# KiCad board qEdge-UI.kicad_pcb (continued)
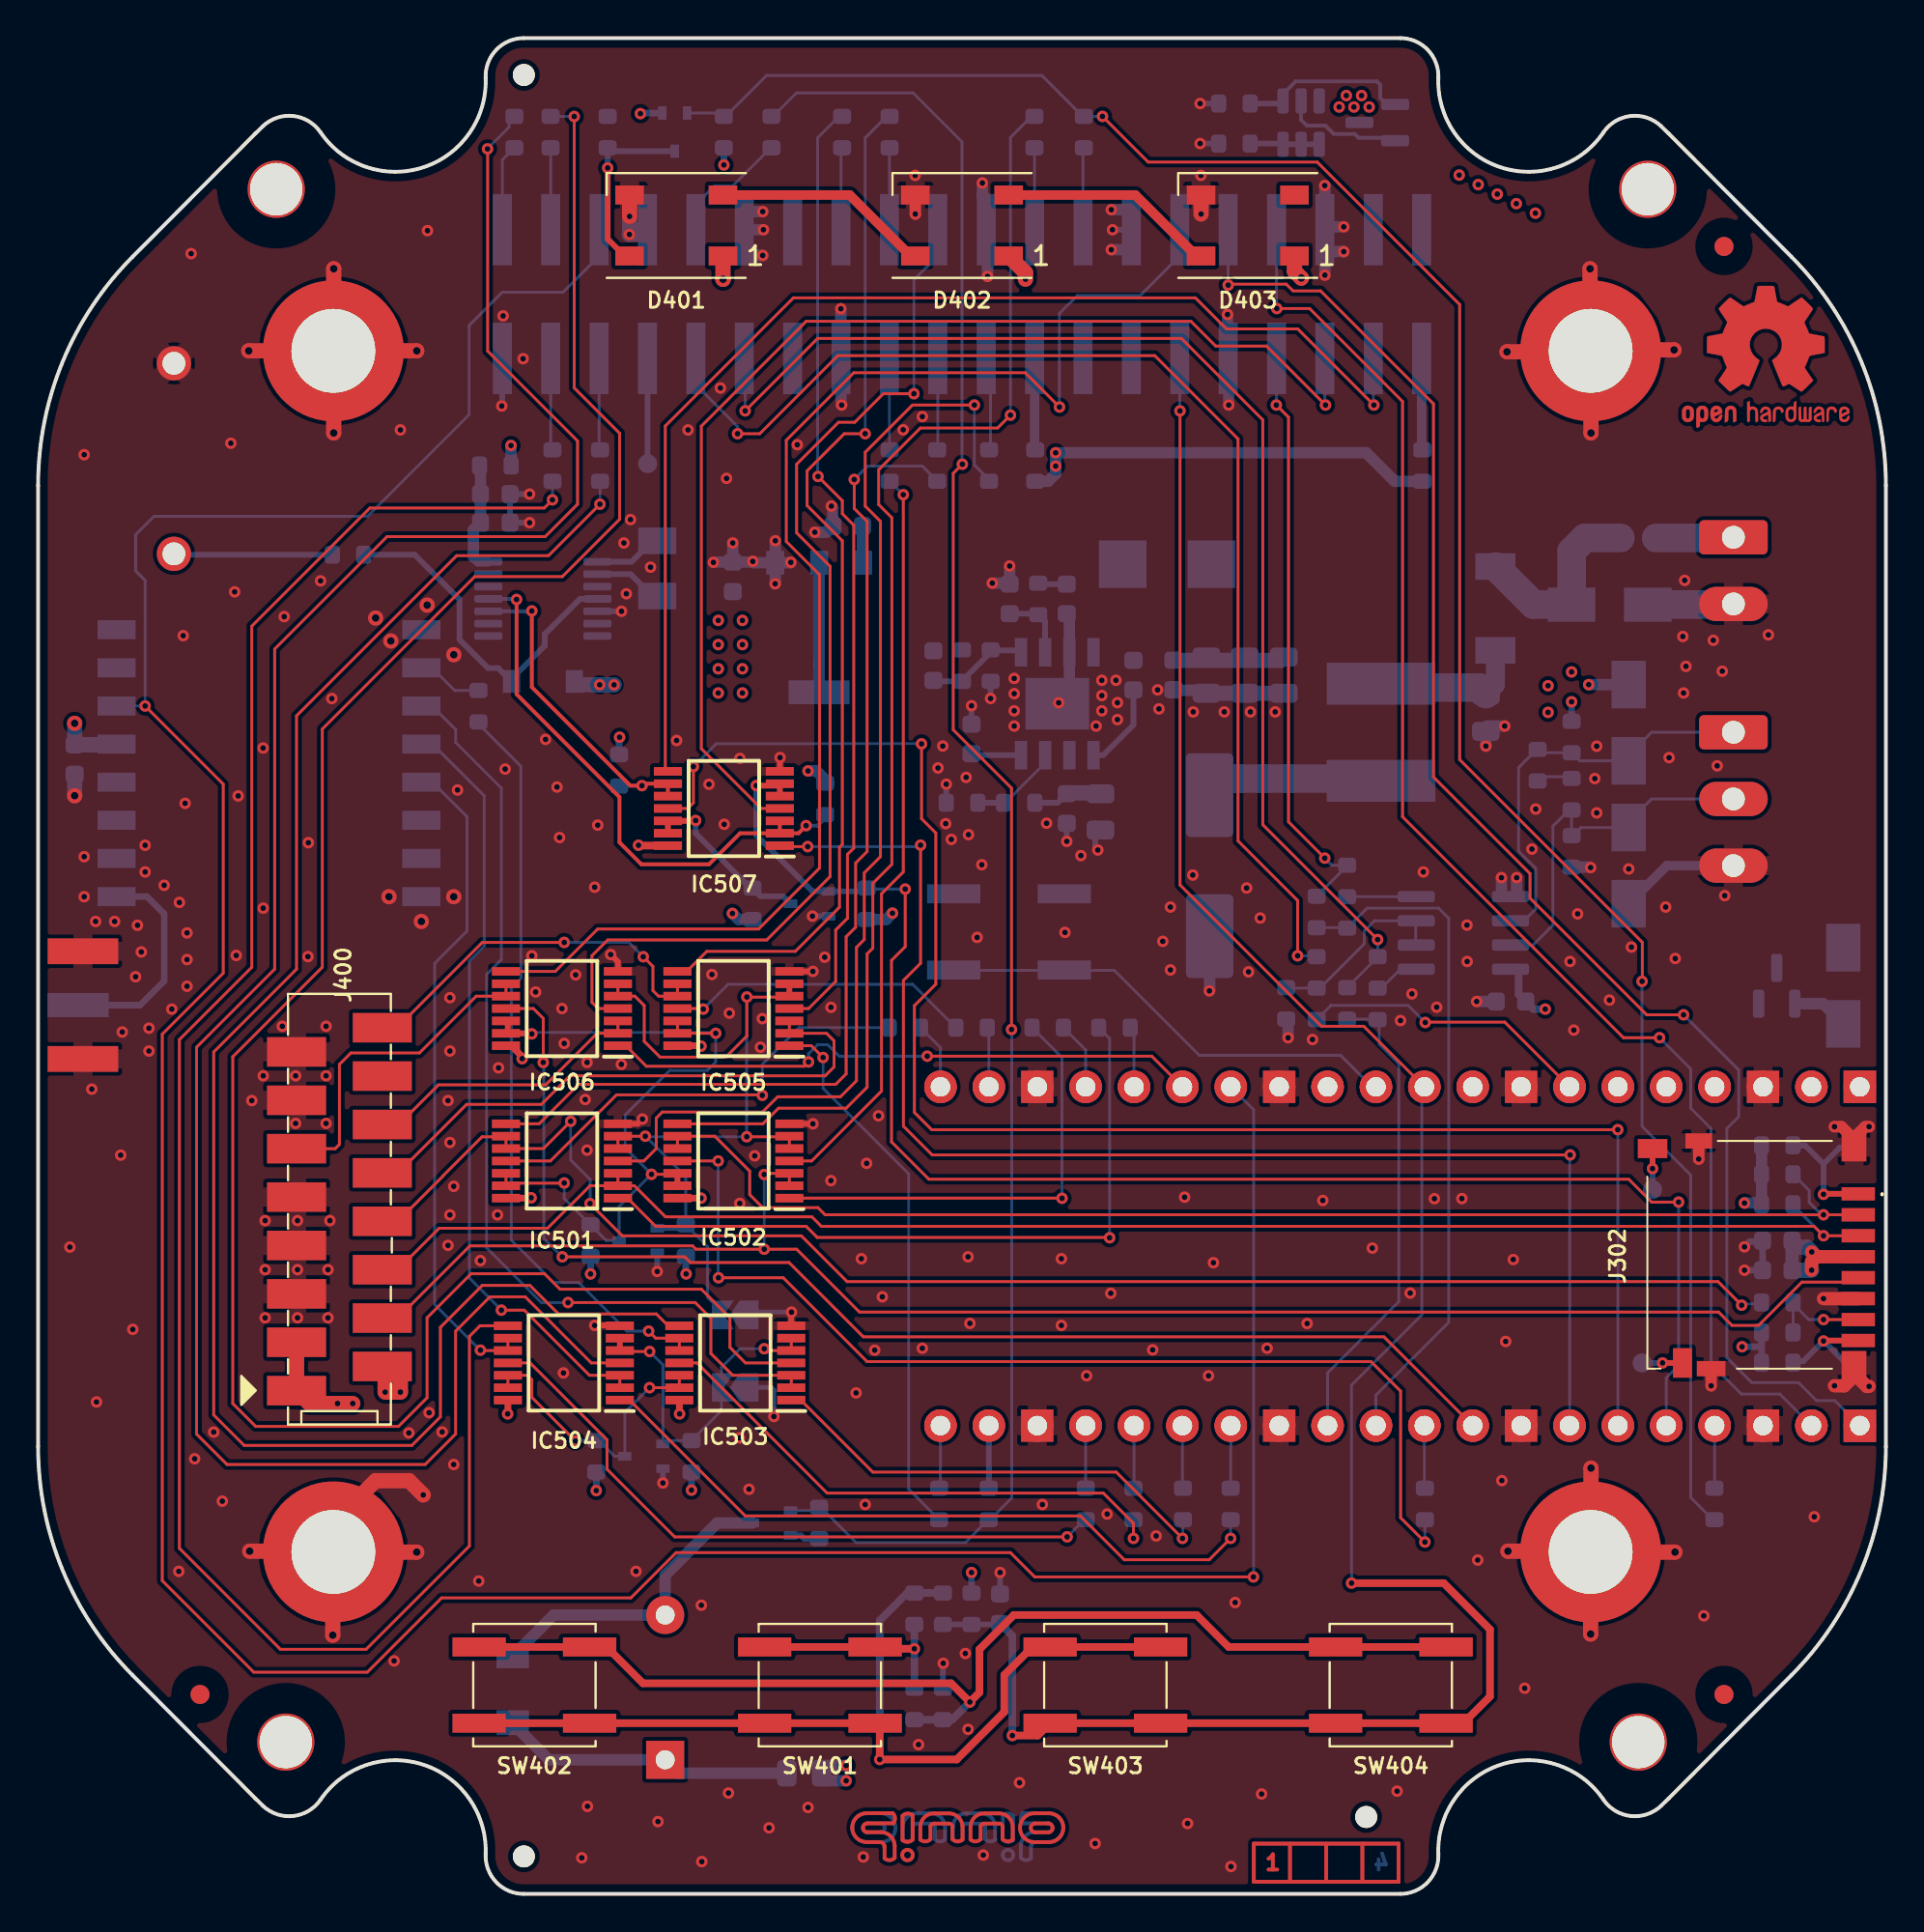
[diagram p0: board, top side]
## Routing (per net, layer and track width the routed paths; a pad name or vN(x,y) marks a point on that pad's centre or on a via; arc(x,y) is an arc through that point) (continued)
/Comm. ifaces, Misc/RTP_CS: length 31.2
  Top w0.15: 17.7,37.97 17.57,37.84 18.9,37.84 22.49,41.44 26.42,41.44 27.92,42.94 41.32,42.94 41.78,43.4 41.78,44.77 41.39,45.17 IC505.2 IC505.3
/Comm. ifaces, Misc/UART_RS485_EN: length 9.9
  Bottom w0.15: 65.54,47.54 R325.2 67.29,47.54 69.62,49.86 69.62,50.54 70.15,51.07 U503.3 ; 72.32,51.05 72.32,49.83 U503.2
/Comm. ifaces, Misc/UART_RS485_RxD: length 2.4
  Bottom w0.15: U503.1 71.51,48.53 70.52,47.54 R327.2
/Comm. ifaces, Misc/UART_RS485_TxD: length 3.6
  Bottom w0.15: U503.4 72.34,52.34 R326.2
/Comm. ifaces, Misc/uSD_CS: length 67.9
  Top w0.15: IC502.10 IC502.9 35.52,39.77 37.36,37.93 37.36,36.7 38.04,36.02 40.94,36.02 41.31,35.64 v1(93.72,35.64) J302.2
  Bottom w0.15: R331.2 92.97,36.92 92.97,36.29 93.62,35.64 v1(93.72,35.64)
/Connectors, Power supplies/COMP_IC202: length 3.6
  Bottom w0.3: R201.1 52.87,66.78 IC202.6 ; C210.1 52.45,67.19
/Connectors, Power supplies/EN_IC202: length 4.8
  Bottom w0.15: R204.2 50.77,57.27 52.87,59.36 IC202.3
  Bottom w0.3: R204.2 49.32,57.27
/Connectors, Power supplies/FB_IC202: length 5
  Bottom w0.3: 51.49,65.27 50.02,65.27 ; 48.5,63.67 50,65.17 ; R202.2 47.05,63.64
/Connectors, Power supplies/SS_IC202: length 2.5
  Bottom w0.3: IC202.4 49.07,59.77
/Connectors, Power supplies/V_IN: length 4
  Bottom w1.5: 88.9,71.17 F201.1
/Connectors, Power supplies/V_IN_PROT: length 10.5
  Bottom w1.5: F201.2 81.2,71.17 80.5,70.47 D201.2 78.5,67.67 D202.2
/RPis, RTC, µSD/4B_Buzzer: length 5.2
  Bottom w0.15: 34.53,88.67 35.49,89.64 36.46,89.64 38.46,91.64 R318.1
/RPis, RTC, µSD/4B_RGB_LED: length 4.2
  Bottom w0.15: J301.16 54.85,91.59
/RPis, RTC, µSD/4B_SPI0_CE0#: length 4.3
  Bottom w0.15: J301.24 44.69,91.63
/RPis, RTC, µSD/4B_SPI0_CE1#: length 4.2
  Bottom w0.15: J301.26 42.15,91.59
/RPis, RTC, µSD/4B_SPI0_CLK_T: length 4.8
  Bottom w0.15: J301.23 44.69,75.8
/RPis, RTC, µSD/4B_SPI0_MISO_T: length 4.8
  Bottom w0.15: J301.21 47.23,75.82
/RPis, RTC, µSD/4B_SPI0_MOSI_T: length 4.9
  Bottom w0.15: 50,75.79 50,80.36 J301.19
/RPis, RTC, µSD/4B_SPI1_CLK_T: length 4.6
  Bottom w0.15: R320.1 24.37,91.01 J301.40
/RPis, RTC, µSD/4B_SPI1_CS_T: length 4.7
  Bottom w0.15: J301.37 26.91,75.88
/RPis, RTC, µSD/4B_SPI1_MISO_T: length 4.8
  Bottom w0.15: J301.35 29.45,75.84
/RPis, RTC, µSD/4B_SPI1_MOSI_T: length 4.3
  Bottom w0.15: J301.38 26.91,91.63
/RPis, RTC, µSD/4B_UART_RS485_EN: length 64.2
  Top w0.15: v1(36.72,76.64) 37.88,76.64 41.98,80.74 58.62,80.74 62.99,76.37 62.99,55.27 66.12,52.14 66.12,49.14
  Bottom w0.15: J301.31 34.53,79.2 36.72,77.01 v1(36.72,76.64) ; v1(66.12,49.24) 67.07,49.24 67.12,49.19
/RPis, RTC, µSD/4B_UART_RS485_RxD: length 66.3
  Top w0.15: v1(70.32,50.09) 64.29,56.12 64.29,77.37 60.02,81.64 40.92,81.64 v1(37.12,77.84)
  Bottom w0.15: v1(70.32,50.09) 70.32,49.16 R341.1 ; v1(37.12,77.84) 37.12,80.54 J301.29
/RPis, RTC, µSD/4B_UART_RS485_TxD: length 30.9
  Top w0.15: v1(67.54,54.36) 65.64,56.27 65.64,77.5 v1(65,78.14)
  Bottom w0.15: 68.72,53.96 R340.1 ; v1(67.54,54.36) 67.92,53.99 R326.3 ; J301.7 65.01,78.15 v1(65,78.14)
/RPis, RTC, µSD/4B_uSD_CS_T: length 4.3
  Bottom w0.15: J301.18 52.31,91.63
/RPis, RTC, µSD/Buzzer: length 97.5
  Top w0.15: v1(48.52,75.04) 48.04,74.56 48.04,61.09 51.1,58.03 v1(51.1,45.37)
  Bottom w0.15: 49.88,19.64 48.67,18.44 42.94,18.44 41.08,20.29 R410.1 40.82,20.12 Q402.1 ; v1(51.1,45.37) 51.11,45.36 51.11,20.78 49.98,19.64 ; v1(48.52,75.04) 48.5,75.06 48.5,91.96 45.93,94.53 39.81,94.53 38.57,93.29 R318.2
/RPis, RTC, µSD/CTRL_I2C_Pico#: length 81.6
  Top w0.15: v1(86.12,36.31) 84.7,36.31 83.5,37.51 46.76,37.51 44.8,39.47 44.8,48.99 45.52,49.71 v1(45.52,52.74)
  Top w0.3: IC507.5 IC507.6 38.84,58.17 v1(37.7,58.17)
  Bottom w0.15: v1(86.12,36.31) 86.12,27.74 85.47,27.09 J305.5 ; v1(45.52,52.74) 43.56,52.74 R511.2
  Bottom w0.3: 43.32,52.62 Q503.1 40.65,52.62 37.7,55.57 v1(37.7,58.17)
/RPis, RTC, µSD/Key_ADC: length 119.1
  Top w0.15: U301.31 69.59,45.54 67.36,45.54 59.94,52.96 59.94,77.84 v1(59.94,77.84)
  Top w0.4: v1(68.95,16.31) 73.79,16.31 76.22,13.88 76.22,10.36 74.81,8.96 SW404.2 SW404.2 SW403.2 SW403.2 52.48,8.31 v1(51.14,8.31)
  Bottom w0.15: 72.64,42.23 72.64,30.39 68.95,26.7 v1(68.95,16.31) ; J301.11 59.93,77.85 v1(59.94,77.84)
  Bottom w0.3: R406.2 50.45,14.14
  Bottom w0.4: C403.1 51.14,13.55 v1(51.14,8.31)
/RPis, RTC, µSD/LoRa_Int: length 181.4
  Top w0.15: v1(5.62,62.35) 9.72,58.25 9.72,48.32 6.52,45.12 6.52,16.44 11.32,11.64 17.28,11.64 21.18,15.54 31.12,15.54 33.49,17.91 51.04,17.91 52.32,16.64 v1(63.8,16.64)
  Bottom w0.15: v1(63.8,16.64) 63.81,16.65 63.81,41.16 U301.27 ; U501.14 v1(5.62,62.35) 5.62,68.94 5.12,69.44 5.12,71.34 6.08,72.3 17.29,72.3 22.62,77.63 22.62,82.32 24.37,84.07 27.56,84.07 29.45,85.96
/RPis, RTC, µSD/Pico_Buzzer: length 3.3
  Bottom w0.3: 49.91,21.3 J305.19
/RPis, RTC, µSD/Pico_I2C0_SCL: length 72.3
  Top w0.15: v1(80.43,38.78) 46.93,38.78 45.43,40.29 45.43,47.94 46.32,48.84 v1(46.32,55.04) ; v1(40.4,54.97) 38.99,54.97
  Bottom w0.15: v1(46.32,55.04) 46.25,54.97 v1(40.4,54.97) ; 80.4,24.59 80.4,38.76 v1(80.43,38.78)
/RPis, RTC, µSD/Pico_I2C0_SDA: length 88.8
  Top w0.15: v1(46.38,60.36) 46.38,56.43 47.13,55.68 47.13,47.74 46,46.62 46,41.02 46.91,40.11 v1(82.93,40.11) ; v1(34.4,59.17) 34.4,57.27 34.1,56.97 IC507.11
  Bottom w0.15: v1(34.4,59.17) 35.6,60.37 46.37,60.37 v1(46.38,60.36) ; v1(82.93,40.11) 82.93,40.1 J305.6
/RPis, RTC, µSD/Pico_LCD_CS_T: length 3
  Bottom w0.15: U301.22 49.91,45.38
/RPis, RTC, µSD/Pico_LCD_DATA: length 31.3
  Top w0.15: v1(40.44,43.66) 40.22,43.44 31.93,43.44 30.85,44.52 ; v1(46.68,43.97) 58.46,43.97 U301.26
  Bottom w0.15: v1(40.44,43.66) 40.44,44.1 40.92,44.57 41.45,44.57 42.06,43.97 v1(46.68,43.97)
/RPis, RTC, µSD/Pico_LCD_LEDs: length 66.6
  Top w0.15: v1(26.52,43.64) 26.52,45.95 26,46.47 IC506.11 ; J305.9 70.65,29.24 43.32,29.24 39.42,33.14 34.24,33.14 33.94,33.44 v1(27.52,33.44)
  Bottom w0.15: v1(27.52,33.44) 26.55,34.4 26.55,43.34 26.52,43.38 v1(26.52,43.64)
/RPis, RTC, µSD/Pico_RGB_LED: length 3.3
  Bottom w0.15: 88.01,21.3 J305.4
/RPis, RTC, µSD/Pico_RTP_CS_T: length 3.2
  Bottom w0.15: J305.20 47.37,21.36
/RPis, RTC, µSD/Pico_RUN: length 25.1
  Bottom w0.15: 47.6,48.47 56.5,48.47 60.95,44.02 68.37,44.02 70.14,42.25
/RPis, RTC, µSD/Pico_SPI0_MISO_T: length 3.5
  Bottom w0.15: U301.21 47.37,44.42 46.32,45.47
/RPis, RTC, µSD/Pico_SPI0_MOSI_T: length 2.9
  Bottom w0.15: 57.53,45.26 U301.25
/RPis, RTC, µSD/Pico_SPI0_SCK_T: length 3.6
  Bottom w0.15: 53.82,45.47 54.99,44.3 U301.24
/RPis, RTC, µSD/Pico_SPI1_CS_T: length 3.3
  Bottom w0.15: 54.99,21.3 J305.17
/RPis, RTC, µSD/Pico_SPI1_MISO_T: length 3.3
  Bottom w0.15: 57.53,21.32 J305.16
/RPis, RTC, µSD/Pico_SPI1_MOSI_T: length 3.3
  Bottom w0.15: 60.07,21.32 J305.15
/RPis, RTC, µSD/Pico_SPI1_SCK_T: length 3.3
  Bottom w0.15: 62.61,21.3 J305.14
/RPis, RTC, µSD/Pico_UART_RS485_EN: length 15.4
  Top w0.15: U301.34 76.99,45.76 72.84,45.76 v1(72.82,45.74)
  Bottom w0.15: v1(72.82,45.74) 71.92,46.64 67.87,46.64 R325.1
/RPis, RTC, µSD/Pico_UART_RS485_RxD: length 24.9
  Bottom w0.15: J305.12 67.69,27.34 71.43,31.08 71.43,43.56 70.4,44.59 70.4,45.81 R327.1 70.29,45.91 R341.2
/RPis, RTC, µSD/Pico_UART_RS485_TxD: length 35.8
  Bottom w0.15: R340.2 68.69,50.71 R326.1 69.77,51.74 73.52,51.74 74.05,51.21 74.05,30 70.23,26.18 J305.11
/RPis, RTC, µSD/Pico_uSD_CS_T: length 3.3
  Bottom w0.15: 72.77,21.32 J305.10
/RPis, RTC, µSD/Pico_VBUS: length 2.8
  Bottom w0.6: D300.2 93.7,46.72 92.41,46.72
/RPis, RTC, µSD/RGB_LED: length 115.8
  Top w0.15: v1(55.88,93.29) 58.27,90.89 67.15,90.89 74.62,83.42 74.62,59.53 84.22,49.94 84.22,47.91 v1(84.2,47.89)
  Bottom w0.15: Q401.2 35.82,93.47 R401.2 36.09,93.29 38.23,95.44 52.69,95.44 54.84,93.29 ; R301.1 87.91,19.64 86.75,20.81 86.75,37.73 84.2,40.28 v1(84.2,47.89) ; R314.2 v1(55.88,93.29)
/RPis, RTC, µSD/UART-4B_RxD-Pico_TxD: length 82.9
  Top w0.15: v1(86.38,46.14) 84.44,46.14 78.32,52.26 78.32,53.55 73.25,58.62 73.25,78.21 67.32,84.13 65.88,84.13 65.52,84.49 62.52,84.49 v1(62.48,84.44)
  Bottom w0.15: v1(86.38,46.14) 89.28,43.24 89.28,40.79 88.65,40.17 88.65,28.14 89.96,26.84 92.41,26.84 93.35,25.89 94.31,25.89 J305.1 ; J301.10 62.47,84.44 v1(62.48,84.44)
/RPis, RTC, µSD/UART-4B_TxD-Pico_RxD: length 77.7
  Top w0.15: v1(65.03,83.21) 66.75,83.21 71.62,78.33 71.62,56.53 83.22,44.94 v1(85.12,44.94)
  Bottom w0.15: J301.8 65.01,83.22 v1(65.03,83.21) ; v1(85.12,44.94) 86.75,43.31 86.75,41.24 87.82,40.17 87.82,27.82 89.41,26.24 91.43,26.24 J305.2
/RPis, RTC, µSD/uSD_DAT1: length 5.8
  Top w0.3: J302.8 93.75,29.04
  Bottom w0.3: TP303.1 94.91,27.85 93.74,29.02 v1(93.72,29.02) 92.67,27.97 92.12,27.97
/RPis, RTC, µSD/uSD_DAT2: length 7.2
  Top w0.3: J302.1 93.75,36.74
  Bottom w0.3: 93.72,38.32 v1(93.72,36.72) ; 93.72,38.32 94.57,39.17 TP302.1 ; 93.72,38.32 92.78,39.27 92.12,39.27
/RPis, RTC, µSD/uSD_SPI_MISO: length 5.3
  Top w0.15: J302.7 v1(93.72,30.14)
  Bottom w0.15: v1(93.72,30.14) 92.95,30.14 92.12,30.97 R334.2
Net-(BZ401-Pad1): length 15.5
  Bottom w0.6: R411.2 33.62,6.34 BZ401.1 26.82,7.04 24.92,8.94 D404.1
Net-(BZ401-Pad2): length 16.7
  Bottom w0.6: D404.2 27.07,14.64 BZ401.2 32.92,16.74 35.65,19.47 Q402.3
Net-(C207-Pad2): length 4.6
  Bottom w0.3: C207.2 57.5,61.35 55.91,59.77 IC202.1
Net-(C208-Pad1): length 1.5
  Bottom w0.3: C208.1 52.55,68.74
Net-(C303-Pad1): length 5.8
  Bottom w0.5: U302.14 23.1,69.92 22.85,70.17
  Bottom w0.6: 23.23,74.92 C303.1 C304.1 22.85,71.59 22.85,70.17
Net-(C305-Pad2): length 8.3
  Bottom w0.3: R337.2 7.18,70.29 C305.2
Net-(D301-Pad1): length 18.5
  Bottom w0.3: R337.1 19.77,70.29 22.12,67.94 22.12,65.84 23.62,64.34 24.15,64.34 D301.1 24.85,63.77 26.6,65.52 26.6,66.12 28.45,67.97 U302.4
Net-(D401-Pad2): length 11.2
  Top w0.5: D401.2 42.6,89.17 45.8,85.97
Net-(D401-Pad4): length 9.6
  Top w0.3: v1(29.9,90.59) 29.9,86.86 30.79,85.97 31,85.97
  Bottom w0.3: v1(29.9,90.59) R404.2 ; 30.07,91.47 Q401.3
Net-(D402-Pad2): length 11.2
  Top w0.5: 60.8,85.97 57.6,89.17 D402.2
Net-(IC507-Pad12): length 9.3
  Top w0.3: v1(34.52,56.34) 34.5,56.32 IC507.12 IC507.13
  Bottom w0.3: Q503.3 39.11,52.36 37.93,52.36 R512.2 37.39,52.79 34.52,55.66 v1(34.52,56.34)
Net-(J301-Pad1): length 4.9
  Bottom w0.5: 72.63,75.74 J301.1
Net-(J301-Pad17): length 4.8
  Bottom w0.5: R338.2 52.31,75.82 J301.17
Net-(J301-Pad33): length 5.5
  Bottom w0.3: J301.33 31.99,75.08
Net-(J302-PadCD1): length 2.1
  Top w0.3: J302.CD1 v1(85.28,27.87)
  Bottom w0.3: v1(85.28,27.87) TP304.1
Net-(J302-PadCD2): length 2.2
  Top w0.3: J302.CD2 v1(84.75,38.07)
  Bottom w0.3: v1(84.75,38.07) TP305.1
Net-(Q302-Pad1): length 3.6
  Bottom w0.3: Q302.3 Q302.2 Q302.1 ; R328.1 65.31,91.87
Net-(Q302-Pad4): length 8.2
  Bottom w0.2: 70.79,93.92 70.45,94.26 70.45,94.96 70.28,95.13 66.03,95.13 65.35,94.46
  Bottom w0.3: R329.1 65.21,93.97
Net-(R402-Pad1): length 11.3
  Top w0.4: v1(46,12.86) 44.03,12.86 SW401.1 38.14,12.96
  Bottom w0.4: R402.1 v1(46,12.86) R405.1
Net-(R402-Pad2): length 59.2
  Top w0.4: SW404.1 SW404.1 62.5,12.96 60.82,14.64 51.22,14.64 49.42,12.84 49.42,10.58 v1(48.91,10.07) 47.93,11.05 31.75,11.05 29.85,12.96 SW402.1
  Bottom w0.4: R402.2 R403.1 47.99,9.14 v1(48.91,10.07)
Net-(R405-Pad2): length 52.3
  Top w0.4: SW402.2 SW401.2 44.18,8.72 v1(44.18,7.05) 48.22,7.05 50.72,9.55 50.72,11.49 52.19,12.96 SW403.1 SW403.1
  Bottom w0.4: v1(44.18,7.05) 44.18,14.36 45.62,15.79 R405.2 R406.1
Net-(R505-Pad1): length 1.9
  Bottom w0.15: R515.2 78.94,58.64 80.22,58.64 80.31,58.54 R505.1
Net-(U302-Pad1): length 3.1
  Bottom w0.3: 32.05,70.82 31.15,69.92 U302.1
Net-(U302-Pad2): length 3.1
  Bottom w0.3: 32.05,68.32 31.1,69.27 U302.2

## Copper pours and planes (outline as drawn; the poured copper is in the pictures)
+3V3 on Bottom: 42.56,68.42 44.47,68.42 44.47,61.63 35.2,61.63 35.2,68.62 39.9,68.62 39.9,70.78 42.56,70.78
+3V3 on Bottom: 85.3,60.93 78.4,60.93 78.4,64.78 85.3,64.78
+3V3 on In2.Cu: 97,-0.03 0,-0.03 0,97.47 97,97.47
+5V on Bottom: 96.9,47.67 91.87,47.67 91.87,77.32 96.9,77.32
+5V on Bottom: 61.61,72.47 51.2,72.47 51.2,74.01 61.61,74.01
+5V on Bottom: 74.8,65.73 66.32,65.74 66.32,65.73 66.32,64.03 59.2,64.03 59.2,73.99 74.8,73.99
+5V on Bottom: 94.76,47.67 89.86,47.67 89.86,65.19 94.76,65.19
+5V on Bottom: 70.3,92.67 66.9,92.67 66.9,94.97 70.3,94.97
+5V on Bottom: 96.9,71.13 73.8,71.13 73.8,93.46 96.9,93.46
+5V on Bottom: 74.12,90.54 73.02,90.54 73,84.14 74.11,84.14 74.1,73.39 51.73,73.39 51.73,67.8 48.34,61.63 29.1,61.63 29.1,97.45 74.1,97.45
+5V on Bottom: 54.63,69.3 51.33,69.3 51.33,72.77 54.63,72.77
+5V on In2.Cu: 94.1,84.33 69.1,84.33 69.1,86.83 66.1,89.83 60.1,89.83 60.1,97.83 94.1,97.83
/Connectors, Power supplies/VIN_IC202 on Bottom: 74.5,54.77 56.6,54.77 56.6,56.67 56.2,57.07 53.6,57.07 53.6,60.77 74.5,60.77
/RPis, RTC, µSD/5V0_RPI-4B on Bottom: 73.77,84.34 69,84.34 69,92.52 73.77,92.52
GND on Top: 97.05,0.04 0.02,0.04 0.02,97.45 97.05,97.45
GND on Bottom: 29.02,61.52 53.1,61.52 53.1,56.55 56.02,56.55 56.35,56.24 56.35,54.47 74.51,54.46 74.52,63.37 89.43,63.37 89.43,40.8 97.05,40.8 97.05,0.04 0.02,0.04 0.02,97.45 29.02,97.45
GND on Bottom: 34.15,66.59 29.27,66.59 29.27,72.55 34.15,72.55
GND on Bottom: 42.17,70.94 41.32,70.94 41.32,68.9 35.2,68.9 35.2,71.25 38.24,71.25 40.12,72.85 42.18,72.85
GND on Bottom: 89.41,50.43 82.1,50.43 82.1,55.73 89.41,55.73
GND on Bottom: 66.34,60.84 57.78,60.84 57.78,63.79 66.34,63.79
GND on Bottom: 57.18,60.79 48.44,60.79 48.44,63.39 49.24,64.09 57.18,64.09
GND on Bottom: 91.7,62.19 83,62.19 83,69.43 91.7,69.43
GND on In1.Cu: 97,-0.03 0,-0.03 0,97.47 97,97.47
GND on In2.Cu: 55.87,90.03 66.02,90.04 69.02,87.04 69.02,83.94 97.87,83.89 97.87,65.39 77.37,65.39 77.37,53.89 75.44,53.89 75.44,47.39 57.37,47.39 57.37,53.89 46.87,53.89 46.87,61.39 44.87,61.39 44.87,68.89 42.87,68.89 42.87,72.29 51.37,72.29 53.86,72.28 53.86,85.39 55.87,85.39
GND on In2.Cu: 9.27,42.79 0.02,42.79 0.27,57.04 9.27,57.04
VCC on Bottom: 78,61.08 66.5,61.08 66.5,65.52 74.8,65.52 75,65.7 75,65.83 78,65.83
/Connectors, Power supplies/SW_IC202 on Bottom: 58.84,64.27 54.9,64.27 54.9,72.23 58.84,72.23
/Connectors, Power supplies/V_IN on Bottom: 91.71,74.23 91.7,69.43 84.1,69.43 84.11,74.23
/Connectors, Power supplies/V_IN_PROT on Bottom: 83.7,65.05 75,65.05 75,71.13 78.7,71.13 79.1,71.53 79.1,74.23 83.7,74.23
/RPis, RTC, µSD/Pico_VBUS on Bottom: 96.9,41.27 94.25,41.27 94.25,47.47 96.9,47.47
/RPis, RTC, µSD/Pico_VSYS on Bottom: 94.3,47.41 94.3,43.58 89.87,43.58 89.87,47.41
/RPis, RTC, µSD/Pico_VSYS on Bottom: 94.05,41.27 91.75,41.27 91.75,47.47 94.05,47.47

## Text on the board
Bottom: 4
B.Silkscreen: qEdge-UI V1.0.0 / (C) 2023 qinno
User.Eco1: PCB-Kontur UIB
Top: 1 | (C) 2023 qinno - this work is licensed under CERN-OHL-S / see https://ohwr.org/cern_ohl_s_v2.pdf for more information
In1.Cu: 2
In2.Cu: 3
